# KiCad board pi40_v1.1.kicad_pcb (continued)
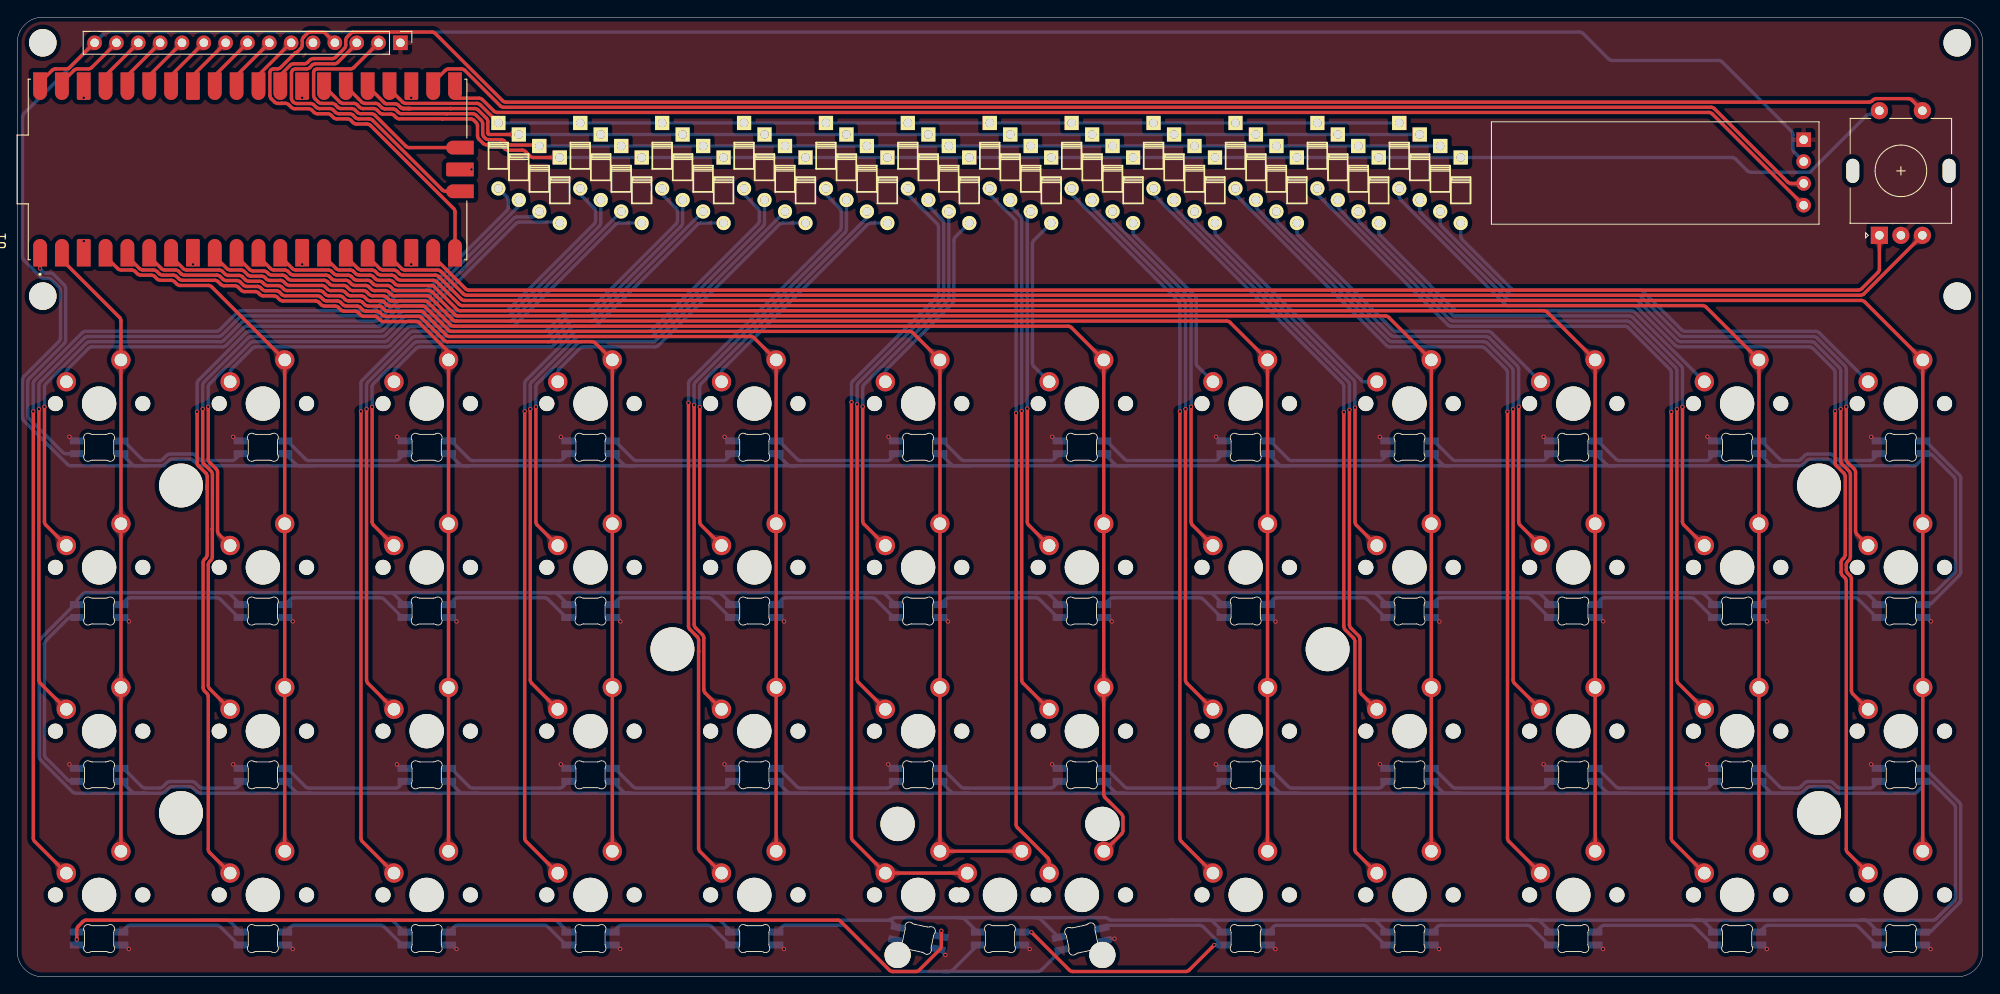
[diagram p0: board, top side]
## Copper pours and planes (outline as drawn; the poured copper is in the pictures) (continued)
C3 on Top: 69.01,16.85 69,16.59 68.97,16.37 68.91,16.19 68.84,16.03 68.75,15.9 68.65,15.76 68.54,15.63 68.43,15.48 68.31,15.3 68.2,15.1 69.21,14.04 70.23,15.1 70.11,15.3 70,15.48 69.89,15.63 69.78,15.76 69.68,15.9 69.59,16.03 69.52,16.19 69.46,16.37 69.43,16.59 69.41,16.85
C4 on Top: 18.46,83.5 18.41,83.56 18.37,83.62 18.34,83.67 18.33,83.72 18.32,83.78 18.32,83.83 18.32,83.88 18.34,83.94 18.35,84 18.37,84.07 17.86,84.47 17.55,83.87 18.18,83.22
C4 on Top: 88.06,16.85 88.05,16.59 88.02,16.37 87.96,16.19 87.88,16.03 87.8,15.9 87.7,15.76 87.59,15.63 87.48,15.48 87.36,15.3 87.25,15.1 88.26,14.04 89.28,15.1 89.16,15.3 89.05,15.48 88.94,15.63 88.83,15.76 88.73,15.9 88.64,16.03 88.57,16.19 88.51,16.37 88.48,16.59 88.46,16.85
C4 on Top: 86.54,73.2 86.71,73.01 86.84,72.83 86.93,72.66 86.99,72.5 87.02,72.34 87.04,72.17 87.06,72 87.09,71.82 87.13,71.61 87.2,71.39 88.66,71.36 88.63,72.82 88.41,72.89 88.2,72.93 88.02,72.95 87.84,72.98 87.68,73 87.52,73.03 87.36,73.09 87.19,73.18 87.01,73.31 86.82,73.48
C4 on Top: 88.46,69.51 88.48,69.77 88.51,69.99 88.57,70.17 88.64,70.32 88.73,70.46 88.83,70.59 88.94,70.73 89.05,70.88 89.16,71.06 89.28,71.26 88.26,72.32 87.25,71.26 87.36,71.06 87.48,70.88 87.59,70.73 87.7,70.59 87.8,70.46 87.88,70.32 87.96,70.17 88.02,69.99 88.05,69.77 88.06,69.51
C5 on Top: 114.59,14.4 114.86,14.39 115.07,14.36 115.26,14.3 115.41,14.23 115.55,14.14 115.68,14.04 115.82,13.93 115.97,13.82 116.14,13.71 116.35,13.59 117.4,14.6 116.35,15.62 116.14,15.5 115.97,15.39 115.82,15.28 115.68,15.17 115.55,15.07 115.41,14.98 115.26,14.91 115.07,14.85 114.86,14.82 114.59,14.8
C5 on Top: 109.56,14.8 109.3,14.82 109.08,14.85 108.9,14.91 108.74,14.98 108.61,15.07 108.47,15.17 108.34,15.28 108.19,15.39 108.01,15.5 107.81,15.62 106.75,14.6 107.81,13.59 108.01,13.71 108.19,13.82 108.34,13.93 108.47,14.04 108.61,14.14 108.74,14.23 108.9,14.3 109.08,14.36 109.3,14.39 109.56,14.4
C5 on Top: 107.51,69.51 107.53,69.77 107.56,69.99 107.62,70.17 107.69,70.32 107.78,70.46 107.88,70.59 107.99,70.73 108.1,70.88 108.21,71.06 108.33,71.26 107.31,72.32 106.3,71.26 106.41,71.06 106.53,70.88 106.64,70.73 106.75,70.59 106.85,70.46 106.93,70.32 107.01,70.17 107.07,69.99 107.1,69.77 107.11,69.51
C5 on Top: 107.11,16.85 107.1,16.59 107.07,16.37 107.01,16.19 106.93,16.04 106.85,15.9 106.75,15.76 106.64,15.63 106.53,15.48 106.41,15.3 106.3,15.09 107.32,14.04 108.33,15.1 108.21,15.3 108.1,15.48 107.99,15.63 107.88,15.77 107.78,15.9 107.69,16.04 107.62,16.19 107.56,16.37 107.53,16.59 107.51,16.85
C5 on Top: 105.59,73.2 105.76,73.01 105.89,72.83 105.98,72.66 106.03,72.5 106.07,72.34 106.09,72.17 106.11,72 106.14,71.82 106.18,71.61 106.25,71.39 107.71,71.36 107.68,72.82 107.46,72.89 107.25,72.93 107.07,72.95 106.89,72.98 106.73,73 106.57,73.03 106.41,73.09 106.24,73.18 106.06,73.31 105.87,73.48
C5 on Top: 23.54,83.5 23.49,83.56 23.45,83.62 23.42,83.67 23.41,83.72 23.4,83.78 23.4,83.83 23.4,83.88 23.42,83.94 23.43,84 23.45,84.07 22.94,84.47 22.63,83.87 23.26,83.22
C6 on Top: 126.16,35.9 126.15,35.64 126.12,35.42 126.06,35.24 125.98,35.08 125.9,34.95 125.8,34.81 125.69,34.68 125.58,34.53 125.46,34.35 125.35,34.15 126.36,33.09 127.38,34.15 127.26,34.35 127.15,34.53 127.04,34.68 126.93,34.81 126.83,34.95 126.74,35.08 126.67,35.24 126.61,35.42 126.58,35.64 126.56,35.9
C6 on Top: 126.56,69.51 126.58,69.77 126.61,69.99 126.67,70.17 126.74,70.32 126.83,70.46 126.93,70.59 127.04,70.73 127.15,70.88 127.26,71.06 127.38,71.26 126.36,72.32 125.35,71.26 125.46,71.06 125.58,70.88 125.69,70.73 125.8,70.59 125.9,70.46 125.98,70.32 126.06,70.17 126.12,69.99 126.15,69.77 126.16,69.51
C6 on Top: 126.56,31.41 126.58,31.67 126.61,31.89 126.67,32.07 126.74,32.22 126.83,32.36 126.93,32.5 127.04,32.63 127.15,32.78 127.26,32.96 127.38,33.16 126.36,34.22 125.35,33.16 125.46,32.96 125.58,32.78 125.69,32.63 125.8,32.5 125.9,32.36 125.98,32.22 126.06,32.07 126.12,31.89 126.15,31.67 126.16,31.41
C6 on Top: 127.84,16.31 127.65,16.14 127.47,16.01 127.3,15.92 127.14,15.87 126.98,15.83 126.82,15.81 126.65,15.8 126.46,15.78 126.26,15.74 126.03,15.68 125.96,14.22 127.42,14.2 127.49,14.43 127.54,14.63 127.57,14.82 127.6,14.99 127.62,15.16 127.66,15.32 127.72,15.48 127.81,15.65 127.94,15.83 128.12,16.03
C6 on Top: 26.08,83.5 26.03,83.56 25.99,83.62 25.96,83.67 25.95,83.72 25.94,83.78 25.94,83.83 25.94,83.88 25.96,83.94 25.97,84 25.99,84.07 25.48,84.47 25.17,83.87 25.8,83.22
C6 on Top: 124.64,73.2 124.81,73.01 124.94,72.83 125.03,72.66 125.08,72.5 125.12,72.34 125.14,72.17 125.16,72 125.19,71.82 125.23,71.61 125.3,71.39 126.76,71.36 126.73,72.82 126.51,72.89 126.3,72.93 126.12,72.95 125.94,72.98 125.78,73 125.62,73.03 125.46,73.09 125.29,73.18 125.11,73.31 124.92,73.48
C7 on Top: 145.21,16.85 145.2,16.59 145.16,16.37 145.11,16.19 145.03,16.03 144.95,15.9 144.85,15.76 144.74,15.63 144.63,15.48 144.51,15.3 144.4,15.1 145.41,14.04 146.43,15.1 146.31,15.3 146.2,15.48 146.09,15.63 145.98,15.76 145.88,15.9 145.79,16.03 145.72,16.19 145.66,16.37 145.63,16.59 145.61,16.85
C7 on Top: 28.62,83.5 28.57,83.56 28.53,83.62 28.5,83.67 28.49,83.72 28.48,83.78 28.48,83.83 28.48,83.88 28.5,83.94 28.51,84 28.53,84.07 28.02,84.47 27.71,83.87 28.34,83.22
C7 on Top: 143.69,73.2 143.86,73.01 143.99,72.83 144.08,72.66 144.13,72.5 144.17,72.34 144.19,72.17 144.21,72 144.24,71.82 144.28,71.61 144.35,71.39 145.81,71.36 145.78,72.82 145.56,72.89 145.35,72.93 145.17,72.95 144.99,72.98 144.83,73 144.67,73.03 144.51,73.09 144.34,73.18 144.16,73.31 143.97,73.48
C7 on Top: 145.61,69.51 145.63,69.77 145.66,69.99 145.72,70.17 145.79,70.32 145.88,70.46 145.98,70.59 146.09,70.73 146.2,70.88 146.31,71.06 146.43,71.26 145.41,72.32 144.4,71.26 144.51,71.06 144.63,70.88 144.74,70.73 144.85,70.59 144.95,70.46 145.03,70.32 145.11,70.17 145.16,69.99 145.2,69.77 145.21,69.51
C8 on Top: 164.26,16.85 164.25,16.59 164.21,16.37 164.16,16.19 164.08,16.03 164,15.9 163.9,15.76 163.79,15.63 163.68,15.48 163.56,15.3 163.45,15.1 164.46,14.04 165.48,15.1 165.36,15.3 165.25,15.48 165.14,15.63 165.03,15.76 164.93,15.9 164.84,16.03 164.77,16.19 164.71,16.37 164.68,16.59 164.66,16.85
C8 on Top: 31.16,83.5 31.11,83.56 31.07,83.62 31.04,83.67 31.03,83.72 31.02,83.78 31.02,83.83 31.02,83.88 31.04,83.94 31.05,84 31.07,84.07 30.56,84.47 30.25,83.87 30.88,83.22
C8 on Top: 162.73,73.2 162.91,73.01 163.04,72.83 163.13,72.66 163.18,72.5 163.22,72.34 163.24,72.17 163.26,72 163.29,71.82 163.33,71.61 163.4,71.39 164.86,71.36 164.83,72.82 164.61,72.89 164.4,72.93 164.22,72.95 164.04,72.98 163.88,73 163.72,73.03 163.56,73.09 163.39,73.18 163.21,73.31 163.02,73.48
C8 on Top: 164.66,69.51 164.68,69.77 164.71,69.99 164.77,70.17 164.84,70.32 164.93,70.46 165.03,70.59 165.14,70.73 165.25,70.88 165.36,71.06 165.48,71.26 164.46,72.32 163.45,71.26 163.56,71.06 163.68,70.88 163.79,70.73 163.9,70.59 164,70.46 164.08,70.32 164.16,70.17 164.21,69.99 164.25,69.77 164.26,69.51
C9 on Top: 183.71,69.51 183.73,69.77 183.76,69.99 183.82,70.17 183.89,70.32 183.98,70.46 184.08,70.59 184.19,70.73 184.3,70.88 184.41,71.06 184.53,71.26 183.51,72.32 182.5,71.26 182.61,71.06 182.73,70.88 182.84,70.73 182.95,70.59 183.05,70.46 183.13,70.32 183.21,70.17 183.26,69.99 183.3,69.77 183.31,69.51
C9 on Top: 36.24,83.5 36.19,83.56 36.15,83.62 36.12,83.67 36.11,83.72 36.1,83.78 36.1,83.83 36.1,83.88 36.12,83.94 36.13,84 36.15,84.07 35.64,84.47 35.33,83.87 35.96,83.22
C9 on Top: 181.78,73.2 181.96,73.01 182.09,72.83 182.18,72.66 182.23,72.5 182.27,72.34 182.29,72.17 182.31,72 182.34,71.82 182.38,71.61 182.45,71.39 183.91,71.36 183.88,72.82 183.66,72.89 183.45,72.93 183.27,72.95 183.09,72.98 182.93,73 182.77,73.03 182.61,73.09 182.44,73.18 182.26,73.31 182.07,73.48
C9 on Top: 183.31,16.85 183.3,16.59 183.26,16.37 183.21,16.19 183.13,16.03 183.05,15.9 182.95,15.76 182.84,15.63 182.73,15.48 182.61,15.3 182.5,15.1 183.51,14.04 184.53,15.1 184.41,15.3 184.3,15.48 184.19,15.63 184.08,15.76 183.98,15.9 183.89,16.03 183.82,16.19 183.76,16.37 183.73,16.59 183.71,16.85
C10 on Top: 200.83,73.2 201.01,73.01 201.14,72.83 201.23,72.66 201.28,72.5 201.32,72.34 201.34,72.17 201.36,72 201.39,71.82 201.43,71.61 201.5,71.39 202.96,71.36 202.93,72.82 202.71,72.89 202.5,72.93 202.32,72.95 202.14,72.98 201.98,73 201.82,73.03 201.66,73.09 201.49,73.18 201.31,73.31 201.12,73.48
C10 on Top: 38.78,83.5 38.73,83.56 38.69,83.62 38.66,83.67 38.65,83.72 38.64,83.78 38.64,83.83 38.64,83.88 38.66,83.94 38.67,84 38.69,84.07 38.18,84.47 37.87,83.87 38.5,83.22
C10 on Top: 202.36,16.85 202.35,16.59 202.31,16.37 202.26,16.19 202.18,16.03 202.1,15.9 202,15.76 201.89,15.63 201.78,15.48 201.66,15.3 201.55,15.1 202.56,14.04 203.58,15.1 203.46,15.3 203.35,15.48 203.24,15.63 203.13,15.76 203.03,15.9 202.94,16.03 202.87,16.19 202.81,16.37 202.78,16.59 202.76,16.85
C10 on Top: 202.76,69.51 202.78,69.77 202.81,69.99 202.87,70.17 202.94,70.32 203.03,70.46 203.13,70.59 203.24,70.73 203.35,70.88 203.46,71.06 203.58,71.26 202.56,72.32 201.55,71.26 201.66,71.06 201.78,70.88 201.89,70.73 202,70.59 202.1,70.46 202.18,70.32 202.26,70.17 202.31,69.99 202.35,69.77 202.36,69.51
C11 on Top: 219.88,73.2 220.06,73.01 220.19,72.83 220.28,72.66 220.33,72.5 220.37,72.34 220.39,72.17 220.41,72 220.44,71.82 220.48,71.61 220.55,71.39 222.01,71.36 221.98,72.82 221.76,72.89 221.55,72.93 221.37,72.95 221.19,72.98 221.03,73 220.87,73.03 220.71,73.09 220.54,73.18 220.36,73.31 220.17,73.48
C11 on Top: 41.32,83.5 41.27,83.56 41.23,83.62 41.2,83.67 41.19,83.72 41.18,83.78 41.18,83.83 41.18,83.88 41.2,83.94 41.21,84 41.23,84.07 40.72,84.47 40.41,83.87 41.04,83.22
C11 on Top: 221.41,16.85 221.4,16.59 221.36,16.37 221.31,16.19 221.23,16.03 221.15,15.9 221.05,15.76 220.94,15.63 220.83,15.48 220.71,15.3 220.6,15.1 221.61,14.04 222.63,15.1 222.51,15.3 222.4,15.48 222.29,15.63 222.18,15.76 222.08,15.9 221.99,16.03 221.92,16.19 221.86,16.37 221.83,16.59 221.81,16.85
C11 on Top: 221.81,69.51 221.83,69.77 221.86,69.99 221.92,70.17 221.99,70.32 222.08,70.46 222.18,70.59 222.29,70.73 222.4,70.88 222.51,71.06 222.63,71.26 221.61,72.32 220.6,71.26 220.71,71.06 220.83,70.88 220.94,70.73 221.05,70.59 221.15,70.46 221.23,70.32 221.31,70.17 221.36,69.99 221.4,69.77 221.41,69.51
C12 on Top: 220.15,101.95 220.35,101.92 220.49,101.85 220.57,101.74 220.6,101.6 220.6,101.43 220.59,101.24 220.58,101.04 220.57,100.83 220.58,100.62 220.63,100.42 221.93,100.39 221.57,101.75 221.39,101.76 221.24,101.81 221.11,101.88 221,101.96 220.9,102.05 220.79,102.14 220.67,102.22 220.53,102.28 220.36,102.33 220.15,102.35
C12 on Top: 30.4,104.59 30.4,104.48 30.39,104.38 30.37,104.3 30.35,104.23 30.33,104.17 30.3,104.1 30.27,104.04 30.19,103.9 30.15,103.82 30.6,103.35 31.05,103.82 31.01,103.9 30.93,104.04 30.9,104.1 30.87,104.17 30.84,104.23 30.83,104.3 30.81,104.38 30.8,104.48 30.8,104.59
J2 on Top: 50.5,96.25 50.61,96.25 50.71,96.24 50.79,96.22 50.86,96.2 50.92,96.18 50.98,96.15 51.05,96.12 51.19,96.04 51.27,96 51.74,96.45 51.27,96.9 51.19,96.86 51.05,96.78 50.98,96.75 50.92,96.72 50.86,96.7 50.79,96.68 50.71,96.66 50.61,96.65 50.5,96.65
J2 on Top: 40.97,107.31 41.11,107.44 41.25,107.54 41.37,107.61 41.49,107.66 41.61,107.69 41.73,107.71 41.85,107.73 41.99,107.76 42.14,107.79 42.3,107.84 42.32,108.94 41.22,108.92 41.17,108.76 41.14,108.61 41.11,108.47 41.09,108.35 41.07,108.23 41.04,108.11 40.99,107.99 40.92,107.87 40.82,107.73 40.69,107.59
J3 on Top: 38.46,107.26 38.61,107.4 38.74,107.5 38.87,107.57 38.99,107.63 39.11,107.66 39.23,107.69 39.36,107.72 39.49,107.75 39.64,107.8 39.81,107.86 39.77,108.96 38.67,108.87 38.62,108.7 38.6,108.55 38.58,108.42 38.57,108.29 38.55,108.17 38.52,108.06 38.47,107.94 38.4,107.82 38.31,107.69 38.18,107.54
J3 on Top: 50.5,91.17 50.61,91.17 50.71,91.16 50.79,91.14 50.86,91.12 50.92,91.1 50.98,91.07 51.05,91.04 51.19,90.96 51.27,90.92 51.74,91.37 51.27,91.82 51.19,91.78 51.05,91.7 50.98,91.67 50.92,91.64 50.86,91.62 50.79,91.6 50.71,91.58 50.61,91.57 50.5,91.57
J4 on Top: 50.72,85.21 50.72,85.1 50.71,85 50.69,84.92 50.67,84.85 50.65,84.79 50.62,84.72 50.59,84.66 50.51,84.52 50.47,84.44 50.92,83.97 51.37,84.44 51.33,84.52 51.25,84.66 51.22,84.72 51.19,84.79 51.16,84.85 51.15,84.92 51.13,85 51.12,85.1 51.12,85.21
J4 on Top: 35.61,109.7 35.74,109.55 35.84,109.42 35.91,109.3 35.96,109.18 35.99,109.06 36.01,108.94 36.03,108.82 36.06,108.68 36.09,108.53 36.14,108.36 37.24,108.34 37.22,109.45 37.06,109.5 36.91,109.53 36.77,109.56 36.65,109.58 36.53,109.6 36.41,109.63 36.29,109.68 36.17,109.75 36.03,109.85 35.89,109.98
J6 on Top: 27.86,104.59 27.86,104.48 27.85,104.38 27.83,104.3 27.81,104.23 27.79,104.17 27.76,104.1 27.73,104.04 27.65,103.9 27.61,103.82 28.06,103.35 28.51,103.82 28.47,103.9 28.39,104.04 28.36,104.1 28.33,104.17 28.3,104.23 28.29,104.3 28.27,104.38 28.26,104.48 28.26,104.59
J6 on Top: 30.78,107.31 30.92,107.45 31.05,107.55 31.18,107.62 31.3,107.66 31.41,107.69 31.53,107.72 31.66,107.73 31.8,107.76 31.95,107.79 32.12,107.83 32.17,108.93 31.07,108.95 31.01,108.78 30.97,108.63 30.94,108.49 30.92,108.37 30.89,108.24 30.86,108.13 30.8,108.01 30.73,107.88 30.63,107.75 30.49,107.6
J7 on Top: 28.27,107.31 28.41,107.44 28.55,107.54 28.67,107.61 28.79,107.66 28.91,107.69 29.03,107.71 29.15,107.73 29.29,107.76 29.44,107.79 29.6,107.84 29.62,108.94 28.52,108.92 28.47,108.76 28.44,108.61 28.41,108.47 28.39,108.35 28.37,108.23 28.34,108.11 28.29,107.99 28.22,107.87 28.12,107.73 27.99,107.59
J7 on Top: 25.32,104.59 25.32,104.48 25.31,104.38 25.29,104.3 25.27,104.23 25.25,104.17 25.22,104.1 25.19,104.04 25.11,103.9 25.07,103.82 25.52,103.35 25.97,103.82 25.93,103.9 25.85,104.04 25.82,104.1 25.79,104.17 25.76,104.23 25.75,104.3 25.73,104.38 25.72,104.48 25.72,104.59
J8 on Top: 25.73,107.31 25.87,107.44 26.01,107.54 26.13,107.61 26.25,107.66 26.37,107.69 26.49,107.71 26.61,107.73 26.75,107.76 26.9,107.79 27.06,107.84 27.08,108.94 25.98,108.92 25.93,108.76 25.9,108.61 25.87,108.47 25.85,108.35 25.83,108.23 25.8,108.11 25.75,107.99 25.68,107.87 25.58,107.73 25.45,107.59
J8 on Top: 22.78,104.59 22.78,104.48 22.77,104.38 22.75,104.3 22.73,104.23 22.71,104.17 22.68,104.1 22.65,104.04 22.57,103.9 22.53,103.82 22.98,103.35 23.43,103.82 23.39,103.9 23.31,104.04 23.28,104.1 23.25,104.17 23.22,104.23 23.21,104.3 23.19,104.38 23.18,104.48 23.18,104.59
J9 on Top: 23.19,107.31 23.33,107.44 23.47,107.54 23.59,107.61 23.71,107.66 23.83,107.69 23.95,107.71 24.07,107.73 24.21,107.76 24.36,107.79 24.52,107.84 24.54,108.94 23.44,108.92 23.39,108.76 23.36,108.61 23.33,108.47 23.31,108.35 23.29,108.23 23.26,108.11 23.21,107.99 23.14,107.87 23.04,107.73 22.91,107.59
J9 on Top: 20.24,104.59 20.24,104.48 20.23,104.38 20.21,104.3 20.19,104.23 20.17,104.17 20.14,104.1 20.11,104.04 20.03,103.9 19.99,103.82 20.44,103.35 20.89,103.82 20.85,103.9 20.77,104.04 20.74,104.1 20.71,104.17 20.68,104.23 20.67,104.3 20.65,104.38 20.64,104.48 20.64,104.59
J10 on Top: 20.65,107.31 20.79,107.44 20.93,107.54 21.05,107.61 21.17,107.66 21.29,107.69 21.41,107.71 21.53,107.73 21.67,107.76 21.82,107.79 21.98,107.84 22,108.94 20.9,108.92 20.85,108.76 20.82,108.61 20.79,108.47 20.77,108.35 20.75,108.23 20.72,108.11 20.67,107.99 20.6,107.87 20.5,107.73 20.37,107.59
J10 on Top: 17.7,104.59 17.7,104.48 17.69,104.38 17.67,104.3 17.65,104.23 17.63,104.17 17.6,104.1 17.57,104.04 17.49,103.9 17.45,103.82 17.9,103.35 18.35,103.82 18.31,103.9 18.23,104.04 18.2,104.1 18.17,104.17 18.14,104.23 18.13,104.3 18.11,104.38 18.1,104.48 18.1,104.59
J11 on Top: 15.16,104.59 15.16,104.48 15.15,104.38 15.13,104.3 15.11,104.23 15.09,104.17 15.06,104.1 15.03,104.04 14.95,103.9 14.91,103.82 15.36,103.35 15.81,103.82 15.77,103.9 15.69,104.04 15.66,104.1 15.63,104.17 15.6,104.23 15.59,104.3 15.57,104.38 15.56,104.48 15.56,104.59
J11 on Top: 18.11,107.31 18.25,107.44 18.39,107.54 18.51,107.61 18.63,107.66 18.75,107.69 18.87,107.71 18.99,107.73 19.13,107.76 19.28,107.79 19.44,107.84 19.46,108.94 18.36,108.92 18.31,108.76 18.28,108.61 18.25,108.47 18.23,108.35 18.21,108.23 18.18,108.11 18.13,107.99 18.06,107.87 17.96,107.73 17.83,107.59
J13 on Top: 13.03,107.31 13.17,107.44 13.31,107.54 13.43,107.61 13.55,107.66 13.67,107.69 13.79,107.71 13.91,107.73 14.05,107.76 14.2,107.79 14.36,107.84 14.38,108.94 13.28,108.92 13.23,108.76 13.2,108.61 13.17,108.47 13.15,108.35 13.13,108.23 13.1,108.11 13.05,107.99 12.98,107.87 12.88,107.73 12.75,107.59
J13 on Top: 10.08,104.59 10.08,104.48 10.07,104.38 10.05,104.3 10.03,104.23 10.01,104.17 9.98,104.1 9.95,104.04 9.87,103.9 9.83,103.82 10.28,103.35 10.73,103.82 10.69,103.9 10.61,104.04 10.58,104.1 10.55,104.17 10.52,104.23 10.51,104.3 10.49,104.38 10.48,104.48 10.48,104.59
J14 on Top: 10.49,107.31 10.63,107.44 10.77,107.54 10.89,107.61 11.01,107.66 11.13,107.69 11.25,107.71 11.37,107.73 11.51,107.76 11.66,107.79 11.82,107.84 11.84,108.94 10.74,108.92 10.69,108.76 10.66,108.61 10.63,108.47 10.61,108.35 10.59,108.23 10.56,108.11 10.51,107.99 10.44,107.87 10.34,107.73 10.21,107.59
J14 on Top: 5.48,104.6 4.85,103.95 5.16,103.35 5.67,103.75 5.65,103.82 5.64,103.88 5.62,103.94 5.62,103.99 5.62,104.04 5.63,104.1 5.64,104.15 5.67,104.2 5.71,104.26 5.76,104.31
R0 on Top: 36.52,103.04 36.44,103.12 36.38,103.2 36.34,103.26 36.3,103.33 36.27,103.39 36.25,103.45 36.23,103.52 36.18,103.67 36.15,103.76 35.5,103.78 35.51,103.13 35.6,103.1 35.76,103.05 35.82,103.03 35.89,103.01 35.95,102.98 36.02,102.94 36.08,102.9 36.16,102.84 36.24,102.76
R0 on Top: 61.46,95.1 61.65,95.09 61.81,95.07 61.94,95.03 62.05,94.98 62.16,94.93 62.26,94.86 62.36,94.79 62.47,94.71 62.59,94.63 62.74,94.56 63.52,95.3 62.74,96.04 62.59,95.96 62.47,95.88 62.36,95.81 62.26,95.74 62.16,95.67 62.05,95.61 61.94,95.57 61.81,95.53 61.65,95.51 61.46,95.5
R0 on Bottom: 64.75,95.5 64.56,95.51 64.4,95.53 64.27,95.57 64.15,95.61 64.05,95.67 63.95,95.74 63.85,95.81 63.74,95.88 63.61,95.96 63.46,96.04 62.69,95.3 63.46,94.56 63.61,94.63 63.74,94.71 63.85,94.79 63.95,94.86 64.05,94.93 64.15,94.98 64.27,95.03 64.4,95.07 64.56,95.09 64.75,95.1
R0 on Bottom: 214.96,99.79 215.13,99.92 215.28,100 215.43,100.03 215.57,100.02 215.72,99.98 215.87,99.92 216.02,99.86 216.19,99.81 216.37,99.76 216.57,99.75 217.02,100.96 215.79,101.37 215.66,101.21 215.46,100.94 215.37,100.83 215.29,100.73 215.2,100.62 215.1,100.5 214.98,100.38 214.85,100.24 214.68,100.07
R0 on Bottom: 166.23,95.1 166.42,95.09 166.58,95.07 166.71,95.03 166.83,94.98 166.93,94.93 167.03,94.86 167.13,94.79 167.24,94.71 167.37,94.63 167.52,94.56 168.29,95.3 167.52,96.04 167.37,95.96 167.24,95.88 167.13,95.81 167.03,95.74 166.93,95.67 166.83,95.61 166.71,95.57 166.58,95.53 166.42,95.51 166.23,95.5
R0 on Bottom: 169.52,95.5 169.33,95.51 169.17,95.53 169.04,95.57 168.93,95.61 168.82,95.67 168.72,95.74 168.62,95.81 168.51,95.88 168.39,95.96 168.24,96.04 167.46,95.3 168.24,94.56 168.39,94.63 168.51,94.71 168.62,94.79 168.72,94.86 168.82,94.93 168.93,94.98 169.04,95.03 169.17,95.07 169.33,95.09 169.52,95.1
R1 on Top: 39.06,103.04 38.98,103.12 38.92,103.2 38.88,103.26 38.84,103.33 38.81,103.39 38.79,103.45 38.77,103.52 38.72,103.67 38.69,103.76 38.04,103.78 38.05,103.13 38.14,103.1 38.3,103.05 38.36,103.03 38.43,103.01 38.49,102.98 38.56,102.94 38.62,102.9 38.7,102.84 38.78,102.76
R1 on Bottom: 62.37,96.84 62.18,96.85 62.02,96.87 61.88,96.9 61.77,96.95 61.67,97.01 61.57,97.08 61.47,97.15 61.36,97.22 61.23,97.3 61.08,97.38 60.31,96.64 61.08,95.89 61.23,95.97 61.36,96.05 61.47,96.13 61.57,96.2 61.67,96.27 61.77,96.32 61.88,96.37 62.02,96.41 62.18,96.43 62.37,96.44
R1 on Bottom: 163.85,96.44 164.04,96.43 164.2,96.41 164.33,96.37 164.45,96.32 164.55,96.27 164.65,96.2 164.75,96.13 164.86,96.05 164.99,95.97 165.14,95.89 165.91,96.64 165.14,97.38 164.99,97.3 164.86,97.22 164.75,97.15 164.65,97.08 164.55,97.01 164.45,96.95 164.33,96.9 164.2,96.87 164.04,96.85 163.85,96.84
R2 on Top: 56.69,97.78 56.89,97.77 57.04,97.75 57.18,97.71 57.29,97.66 57.39,97.6 57.49,97.54 57.59,97.47 57.7,97.39 57.83,97.31 57.98,97.23 58.75,97.98 57.98,98.72 57.83,98.64 57.7,98.56 57.59,98.49 57.49,98.41 57.39,98.35 57.29,98.29 57.18,98.24 57.04,98.21 56.89,98.19 56.69,98.18
R2 on Top: 41.6,103.04 41.52,103.12 41.46,103.2 41.42,103.26 41.38,103.33 41.35,103.39 41.33,103.45 41.31,103.52 41.26,103.67 41.23,103.76 40.58,103.78 40.59,103.13 40.68,103.1 40.84,103.05 40.9,103.03 40.97,103.01 41.03,102.98 41.1,102.94 41.16,102.9 41.24,102.84 41.32,102.76
R2 on Bottom: 161.47,97.78 161.66,97.77 161.82,97.75 161.95,97.71 162.07,97.66 162.17,97.6 162.27,97.54 162.37,97.47 162.48,97.39 162.6,97.31 162.75,97.23 163.53,97.98 162.75,98.72 162.6,98.64 162.48,98.56 162.37,98.49 162.27,98.41 162.17,98.35 162.07,98.29 161.95,98.24 161.82,98.21 161.66,98.19 161.47,98.18
R2 on Bottom: 59.99,98.18 59.79,98.19 59.64,98.21 59.5,98.24 59.39,98.29 59.29,98.35 59.19,98.41 59.09,98.49 58.98,98.56 58.85,98.64 58.7,98.72 57.93,97.98 58.7,97.23 58.85,97.31 58.98,97.39 59.09,97.47 59.19,97.54 59.29,97.6 59.39,97.66 59.5,97.71 59.64,97.75 59.79,97.77 59.99,97.78
R3 on Top: 43.94,102.91 43.88,102.97 43.84,103.03 43.8,103.09 43.78,103.15 43.77,103.2 43.76,103.26 43.77,103.32 43.77,103.38 43.79,103.53 43.22,103.84 42.95,103.25 43.02,103.17 43.09,103.11 43.16,103.05 43.34,102.91 43.41,102.86 43.48,102.79 43.57,102.72 43.66,102.63
R3 on Top: 54.65,100.35 54.78,100.21 54.88,100.08 54.95,99.96 55,99.84 55.03,99.73 55.05,99.61 55.07,99.49 55.1,99.36 55.13,99.22 55.18,99.05 56.25,99.02 56.24,100.09 56.07,100.15 55.93,100.18 55.8,100.21 55.67,100.23 55.56,100.25 55.44,100.29 55.33,100.34 55.21,100.4 55.08,100.5 54.94,100.63
R3 on Bottom: 159.09,99.12 159.28,99.11 159.44,99.09 159.57,99.05 159.68,99 159.79,98.94 159.89,98.88 159.99,98.81 160.1,98.73 160.22,98.65 160.37,98.57 161.15,99.32 160.37,100.06 160.22,99.98 160.1,99.9 159.99,99.83 159.89,99.75 159.79,99.69 159.68,99.63 159.57,99.58 159.44,99.55 159.28,99.52 159.09,99.52
R3 on Bottom: 57.6,99.52 57.41,99.52 57.26,99.55 57.12,99.58 57.01,99.63 56.9,99.69 56.81,99.75 56.71,99.83 56.59,99.9 56.47,99.98 56.32,100.06 55.55,99.32 56.32,98.57 56.47,98.65 56.59,98.73 56.71,98.81 56.81,98.88 56.9,98.94 57.01,99 57.12,99.05 57.26,99.09 57.41,99.11 57.6,99.12
REa on Top: 48.94,83.5 48.89,83.56 48.85,83.62 48.82,83.67 48.81,83.72 48.8,83.78 48.8,83.83 48.8,83.88 48.82,83.94 48.83,84 48.85,84.07 48.34,84.47 48.03,83.87 48.66,83.22
REa on Top: 216.77,84.26 216.78,84.49 216.81,84.68 216.86,84.84 216.93,84.98 217,85.1 217.09,85.22 217.18,85.34 217.28,85.47 217.37,85.63 217.47,85.81 216.57,86.75 215.67,85.81 215.77,85.63 215.87,85.47 215.97,85.34 216.06,85.22 216.15,85.1 216.22,84.98 216.28,84.84 216.33,84.68 216.36,84.49 216.37,84.26
REb on Top: 43.86,83.5 43.81,83.56 43.77,83.62 43.74,83.67 43.73,83.72 43.72,83.78 43.72,83.83 43.72,83.88 43.74,83.94 43.75,84 43.77,84.07 43.26,84.47 42.95,83.87 43.58,83.22
REb on Top: 220.31,84.7 220.48,84.86 220.64,84.97 220.78,85.05 220.93,85.1 221.07,85.13 221.21,85.16 221.36,85.18 221.52,85.2 221.7,85.24 221.9,85.3 221.93,86.6 220.63,86.58 220.57,86.38 220.53,86.2 220.5,86.03 220.48,85.88 220.46,85.74 220.43,85.6 220.37,85.46 220.3,85.31 220.18,85.15 220.02,84.98
RGB on Top: 2.86,83.23 2.86,83.34 2.87,83.43 2.88,83.52 2.9,83.59 2.93,83.65 2.96,83.71 2.99,83.78 3.06,83.92 3.11,84 2.66,84.47 2.21,84 2.25,83.92 2.33,83.78 2.36,83.72 2.39,83.65 2.41,83.59 2.43,83.52 2.45,83.44 2.45,83.34 2.46,83.23
SCL on Top: 205.92,92.15 206.06,92.04 206.19,91.96 206.32,91.92 206.44,91.9 206.57,91.9 206.68,91.89 206.8,91.88 206.92,91.85 207.04,91.78 207.16,91.69 208.19,92.29 207.39,93.05 207.24,92.96 207.11,92.84 206.99,92.72 206.88,92.59 206.78,92.47 206.68,92.37 206.57,92.31 206.46,92.29 206.34,92.33 206.21,92.43
SCL on Top: 48.66,104.6 48.03,103.95 48.34,103.35 48.85,103.75 48.83,103.82 48.82,103.88 48.8,103.94 48.8,103.99 48.8,104.04 48.81,104.1 48.82,104.15 48.85,104.2 48.89,104.26 48.94,104.31
SDA on Top: 51.12,102.61 51.12,102.72 51.13,102.82 51.15,102.9 51.16,102.97 51.19,103.03 51.22,103.1 51.25,103.16 51.33,103.3 51.37,103.38 50.92,103.85 50.47,103.38 50.51,103.3 50.59,103.16 50.62,103.1 50.65,103.03 50.67,102.97 50.69,102.9 50.71,102.82 50.72,102.72 50.72,102.61
SDA on Top: 206.43,90.8 206.56,90.66 206.66,90.52 206.73,90.4 206.77,90.28 206.81,90.16 206.83,90.05 206.85,89.92 206.87,89.78 206.91,89.63 206.96,89.47 208.06,89.45 208.04,90.55 207.87,90.6 207.73,90.64 207.59,90.66 207.46,90.68 207.34,90.7 207.23,90.74 207.11,90.78 206.99,90.85 206.85,90.95 206.71,91.08
Net-(D1-Pad2) on Bottom: 61.46,87.59 61.64,87.58 61.79,87.56 61.92,87.52 62.02,87.47 62.12,87.41 62.21,87.34 62.4,87.18 62.51,87.09 62.64,86.99 63.51,87.62 62.85,88.46 62.68,88.4 62.54,88.34 62.42,88.28 62.31,88.21 62.2,88.15 62.09,88.1 61.97,88.06 61.83,88.02 61.66,88 61.46,87.99
Net-(D1-Pad2) on Bottom: 6.24,71.33 4.92,70.01 5.71,68.65 6.73,69.7 6.65,69.86 6.56,70.01 6.48,70.14 6.41,70.27 6.35,70.4 6.31,70.52 6.31,70.65 6.34,70.78 6.41,70.91 6.53,71.05
Net-(D2-Pad2) on Bottom: 25.29,71.33 23.97,70.01 24.76,68.65 25.78,69.7 25.7,69.86 25.61,70.01 25.53,70.14 25.46,70.27 25.4,70.4 25.36,70.52 25.36,70.65 25.39,70.78 25.46,70.91 25.58,71.05
